# Altium PCB SSHub-B.PcbDoc (part 2 of 2)
Units mm, origin at the board's own origin, x right, y up, seen from the top; angles counter-clockwise.
Board outline 100 x 55.5 mm, 2 copper layers (Top Layer, Bottom Layer); 170 components, 186 nets, 651 pads, 131 vias.
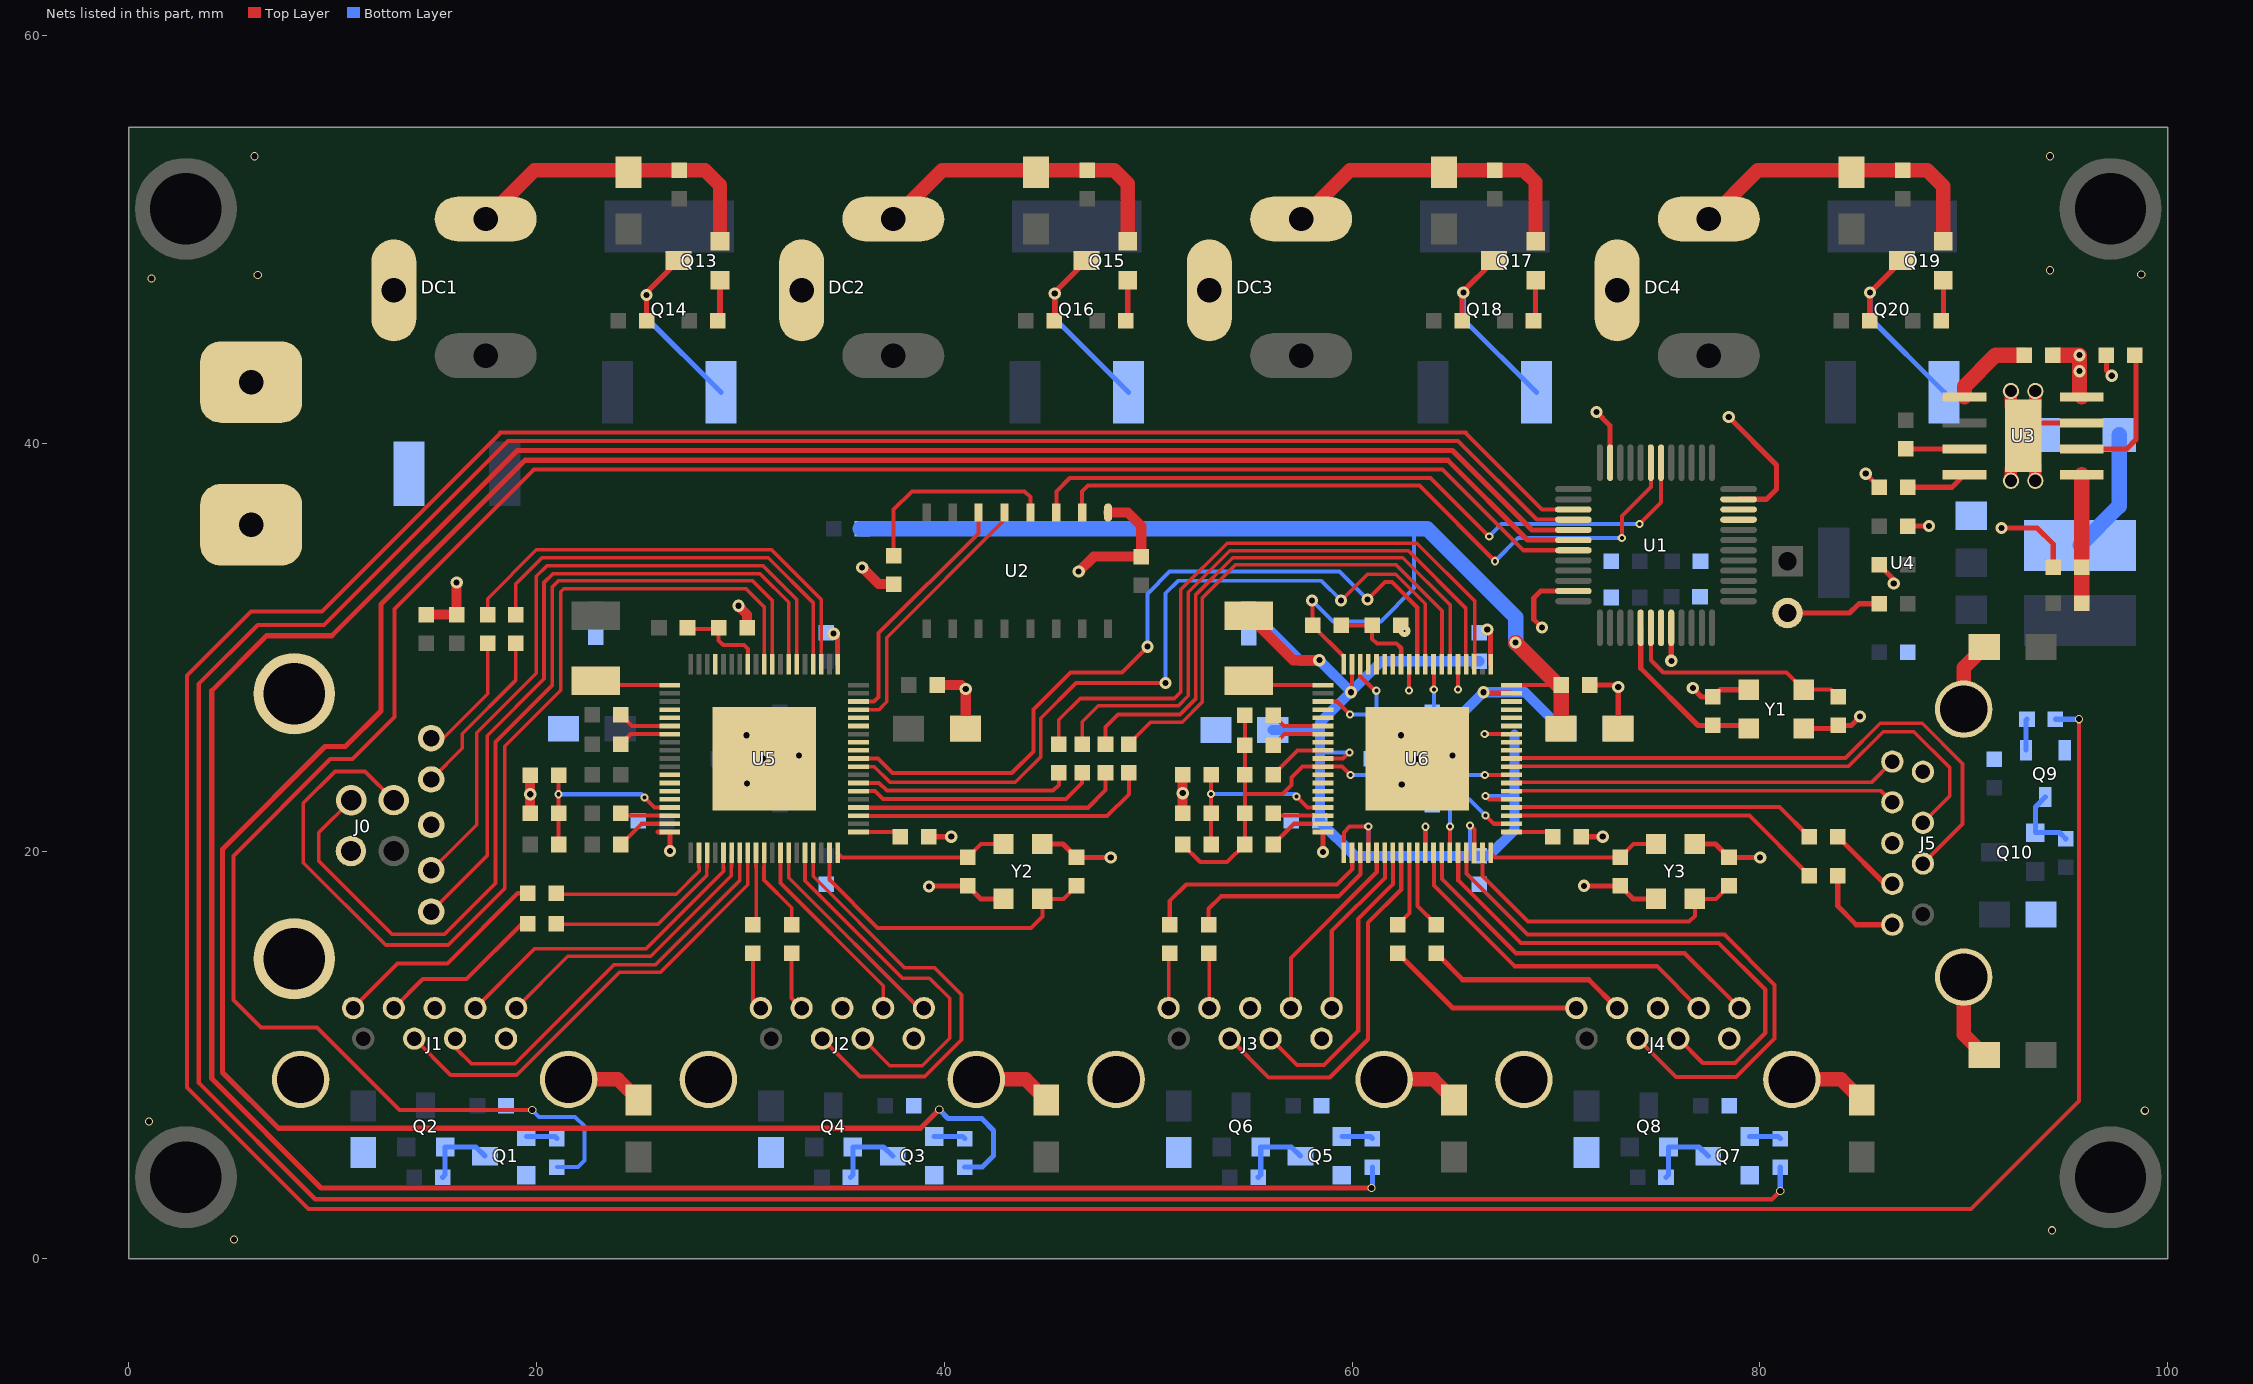
[diagram p2: the nets of this part, all layers, seen from the top]

## Via types
v1: diameter 0.6, hole 0.3, Top Layer to Bottom Layer, 66 vias
v2: diameter 0.4, hole 0.2, Top Layer to Bottom Layer, 40 vias
v3: diameter 0.4, hole 0.3, Top Layer to Bottom Layer, 24 vias
v4: diameter 0.6, hole 0.1, Top Layer to Bottom Layer, 1 vias

## Nets (pads, with @x,y where several pads share a name; then routed paths per layer and width w, separated by ;. In a path a pad name is that pad's centre, name@x,y a point inside that pad or via, vN(x,y) a via of type N, cw(c..) or ccw(c..) an arc to the next point about the centre after c; other vN are vias at no path point) (continued)
GND: C1.2 C2.2 C3.2 C4.2 C5.2 C6.2 C7.1 C8.1 C10.1 C11.2 C12.1 C13.2 C14.2 C15.2 C16.2 C17.2 C19.2 C20.2 C21.2 C22.2 C23.2 C24.2 C25.2 C26.2 C29.1 C30.2 C33.1 C34.2 C37.1 C38.1 C45.1 C46.2 C49.1 C50.2 C53.1 C54.2 C59.1 C60.1 C61.1 C62.1 C63.1 C64.1 C65.1 C66.2 C67.2 C68.1 C69.1 C70.1 C71.1 C72.2 C73.2 C74.1 C75.1 C76.1 C77.1 C78.1 C79.1 C80.2 C81.2 C82.1 C83.1 C84.1 C85.1 C86.2 D1.1 DC1.2 DC1.3 DC2.2 DC2.3 DC3.2 DC3.3 DC4.2 DC4.3 J0.4 J0.7 J0.G1 J0.G2 J1.4 J1.7 J1.G1 J1.G2 J2.4 J2.7 J2.G1 J2.G2 J3.4 J3.7 J3.G1 J3.G2 J4.4 J4.7 J4.G1 J4.G2 J5.4 J5.7 J5.G1 J5.G2 pad.1@6,43 Q1.E Q3.E Q5.E Q7.E Q9.2 Q13.E Q15.E Q17.E Q19.E R2.2 R3.2 R4.2 R6.2 R28.2 R35.2 R36.2 R38.1 R45.2 R46.2 U1.8 U1.23 U1.35 U1.47 U2.1 U3.7 U3.9 U4.1 U5.20 U5.57 U5.G1 U6.20 U6.57 U6.G1 Y1.2 Y1.4 Y2.2 Y2.4 Y3.2 Y3.4 | length 163.3
  Top Layer w0.254: 25.966,20.936 U5.57@26.539,20.936 v1@26.539,19.994 ; v1@34.569,30.658 34.766,30.461 U5.20@34.766,29.163 ; R36.2@39.243,20.701 v1@40.335,20.701 ; v1@39.268,18.288 C64.1@41.148,18.288 41.783,17.653 Y2.4@42.901,17.653 ; Y2.2@44.806,20.345 45.822,20.345 C63.1@46.482,19.685 v1@48.158,19.685 ; v1@58.568,19.943 U6.57@58.568,20.936 ; R45.2@62.15,30.836 R45.2@62.379,31.064 ; v1@66.624,30.861 66.795,30.69 U6.20@66.795,29.163 ; v1@69.317,30.963 68.91,31.369 68.91,32.41 69.251,32.751 U1.47@70.855,32.751 ; R46.2@71.247,20.701 v1@72.288,20.701 ; v1@71.374,18.288 C78.1@73.152,18.288 73.787,17.653 Y3.4@74.905,17.653 ; C82.1@71.653,28.143 72.949,28.143 73.05,28.042 C81.2@73.05,26 ; v1@71.984,41.529 72.655,40.858 U1.35@72.655,39.051 ; v1@75.655,29.324 U1.8@75.655,30.951 ; v1@76.708,27.991 77.14,27.559 C1.2@77.699,27.559 78.054,27.915 Y1.2@79.451,27.915 ; Y3.2@76.81,20.345 77.826,20.345 C77.1@78.486,19.685 v1@80.01,19.685 ; v1(78.473,41.288) 80.823,38.938 80.823,37.744 80.33,37.251 U1.23@78.955,37.251 ; Y1.4@82.144,26.01 C2.2@83.693,26.01 ; C2.2@83.845,26.162 84.48,26.162 v1@84.912,26.594 ; v1@85.192,38.506 R4.2@85.852,37.846 ; R2.2@85.852,34.036 86.563,33.325 v1@86.563,33.122 ; R3.2@87.249,35.941 v1@88.29,35.941 ; v1@91.846,35.839 93.599,35.839 94.386,35.052 R6.2@94.386,33.909 ; U3.9@93.548,40.996 U3.7@95.788,40.996 ; C10.1@97,44.323 97,43.564 v1@97.257,43.307
  Top Layer w0.5: C38.1@14.58,31.598 C37.1@16.078,31.598 v1@16.078,33.172 ; R28.2@19.685,21.844 C59.1@19.685,23.724 ; v1@29.896,32.029 30.324,31.601 R35.2@30.324,30.963 ; v1@35.966,33.909 36.779,33.096 C8.1@37.516,33.096 ; C68.1@39.649,28.143 40.843,28.143 41.046,27.94 C67.2@41.046,26 ; v1@46.584,33.706 47.32,34.442 C7.1@49.657,34.442 49.657,35.941 48.997,36.601 U2.1@48.031,36.601 ; R38.1@51.689,21.844 C73.2@51.689,23.749
  Top Layer w0.7: DC1.2@17.5,51 19.897,53.397 C19.2@27,53.397 28.264,53.397 29,52.661 Q13.E@29,49.905 ; J1.G2@21.57,8.8 23.994,8.8 C13.2@25,7.794 ; DC2.2@37.5,51 39.897,53.397 C21.2@47,53.397 48.33,53.397 49,52.727 Q15.E@49,49.905 ; J2.G2@41.57,8.8 43.994,8.8 C14.2@45,7.794 ; DC3.2@57.5,51 59.897,53.397 C23.2@67,53.397 68.421,53.397 69,52.818 Q17.E@69,49.905 ; J3.G2@61.57,8.8 63.994,8.8 C15.2@65,7.794 ; DC4.2@77.5,51 79.897,53.397 C25.2@87,53.397 88.208,53.397 89,52.605 Q19.E@89,49.905 ; J4.G2@81.57,8.8 83.994,8.8 C16.2@85,7.794 ; J5.G1@90,13.818 90,11.006 C17.2@91.006,10 ; J5.G2@90,26.958 90,28.994 C11.2@91.006,30
  other v1: 39.243,18.263 71.378,18.292 48.162,19.689 80.014,19.689 58.572,19.947 26.543,19.998 40.339,20.705 72.292,20.705 19.689,22.788 51.693,22.838 84.916,26.598 41.05,27.944 76.712,27.995 73.054,28.045 75.658,29.327 34.573,30.662 66.628,30.865 69.32,30.966 29.9,32.033 86.567,33.125 16.082,33.176 46.587,33.71 35.97,33.913 91.85,35.843 88.294,35.945 85.195,38.51 71.987,41.533 97.26,43.311
  other v3: 5.156,0.94 94.336,1.397 0.991,6.731 98.882,7.264 62.433,23.266 30.328,23.317 63.144,24.511 31.115,24.536 32.868,24.689 64.922,24.689 30.302,25.679 62.408,25.679 7.772,28.626 1.118,48.082 6.325,48.26 98.704,48.285 94.234,48.489 6.172,54.077 94.234,54.077
  other v4: 62.564,30.789
GRN1: U5.53
GRN2: U5.52
GRN3: U5.51
GRN4: U5.50
LX: L2.1 U5.39 | length 3.7
  Top Layer w0.2: L2.1@22.903,28.341 23.108,28.136 U5.39@26.539,28.136
NetC8_2: C8.2 U2.4 | length 10.2
  Top Layer w0.2: C8.2@37.516,34.493 37.516,36.754 38.405,37.643 43.942,37.643 44.221,37.363 U2.4@44.221,36.601
NetC9_1: C9.1 D1.2 L1.1 U3.8 | length 9.6
  Top Layer w0.75: C9.1@94.361,44.323 v1(95.682,44.323) v1(95.682,43.536) 95.682,42.372 U3.8@95.788,42.266
  Bottom Layer w0.75: L1.1@95.707,34.997 97.623,36.913 D1.2@97.623,40.411
NetC9_2: C9.2 U3.1 | length 4.1
  Top Layer w0.75: U3.1@90.038,42.266 90.038,42.794 91.567,44.323 C9.2@92.964,44.323
NetC10_2: C10.2 U3.6 | length 7
  Top Layer w0.254: U3.6@95.788,39.726 97.993,39.726 98.45,40.183 98.45,44.27 C10.2@98.397,44.323
NetDC0_1: F1.1 pad.0
NetP0_2: P0.2 R1.2 | length 4.7
  Top Layer w0.254: P0.2@81.356,31.674 84.404,31.674 84.861,32.131 R1.2@85.852,32.131
NetQ1_B: Q1.B R7.2 | length 1.5
  Bottom Layer w0.254: Q1.B@19.5,6 20.897,6 R7.2@21,5.897
NetQ1_C: Q1.C Q2.G R8.2 | length 3.7
  Bottom Layer w0.254: R8.2@15.397,4 15.516,4.119 Q2.G@15.516,5.484 17.019,5.484 Q1.C@17.468,5.035
NetQ3_B: Q3.B R9.2 | length 1.5
  Bottom Layer w0.254: Q3.B@39.5,6 40.897,6 R9.2@41,5.897
NetQ3_C: Q3.C Q4.G R10.2 | length 3.7
  Bottom Layer w0.254: R10.2@35.397,4 35.516,4.119 Q4.G@35.516,5.484 37.019,5.484 Q3.C@37.468,5.035
NetQ5_B: Q5.B R11.2 | length 1.5
  Bottom Layer w0.254: Q5.B@59.5,6 60.897,6 R11.2@61,5.897
NetQ5_C: Q5.C Q6.G R12.2 | length 3.7
  Bottom Layer w0.254: R12.2@55.397,4 55.516,4.119 Q6.G@55.516,5.484 57.019,5.484 Q5.C@57.468,5.035
NetQ7_B: Q7.B R13.2 | length 1.5
  Bottom Layer w0.254: Q7.B@79.5,6 80.897,6 R13.2@81,5.897
NetQ7_C: Q7.C Q8.G R14.2 | length 3.7
  Bottom Layer w0.254: R14.2@75.397,4 75.516,4.119 Q8.G@75.516,5.484 77.019,5.484 Q7.C@77.468,5.035
NetQ9_B: Q9.1 R15.2 | length 1.5
  Bottom Layer w0.254: Q9.1@93.05,24.95 93.05,26.414 R15.2@93.103,26.467
NetQ9_C: Q9.3 Q10.G R16.2 | length 3.6
  Bottom Layer w0.254: Q9.3@94,22.65 93.516,22.166 Q10.G@93.516,20.904 94.695,20.904 R16.2@95,20.599
NetQ11_B: 
NetQ11_C: 
NetQ13_B: Q13.B R19.2 | length 2
  Top Layer w0.3: R19.2@28.897,46 29,46.103 Q13.B@29,48
NetQ13_C: Q13.C Q14.G R20.2 | length 9.9
  Top Layer w0.254: R20.2@25.397,46 v1(25.397,47.269) 25.397,47.394 Q13.C@26.968,48.965
  Bottom Layer w0.254: v1(25.397,47.269) 25.397,46.143 Q14.G@29.04,42.5
NetQ15_B: Q15.B R21.2 | length 2
  Top Layer w0.254: R21.2@48.897,46 49,46.103 Q15.B@49,48
NetQ15_C: Q15.C Q16.G R22.2 | length 10
  Top Layer w0.254: R22.2@45.397,46 45.397,47.394 Q15.C@46.968,48.965
  Bottom Layer w0.254: v1(45.415,47.346) 45.415,46.125 Q16.G@49.04,42.5
NetQ17_B: Q17.B R23.2 | length 2
  Top Layer w0.254: R23.2@68.897,46 69,46.103 Q17.B@69,48
NetQ17_C: Q17.C Q18.G R24.2 | length 10
  Top Layer w0.254: R24.2@65.397,46 65.397,47.394 Q17.C@66.968,48.965
  Bottom Layer w0.254: v1(65.456,47.396) 65.456,46.084 Q18.G@69.04,42.5
NetQ19_B: Q19.B R25.2 | length 2
  Top Layer w0.254: R25.2@88.897,46 89,46.103 Q19.B@89,48
NetQ19_C: Q19.C Q20.G R26.2 | length 10
  Top Layer w0.254: R26.2@85.397,46 v1(85.397,47.394) Q19.C@86.968,48.965
  Bottom Layer w0.254: v1(85.397,47.394) 85.397,46.143 Q20.G@89.04,42.5
NetR4_0_1: R4_0.1 U3.3 | length 2.9
  Top Layer w0.254: R4_0.1@87.147,39.726 U3.3@90.038,39.726
NetR4_1: R4.1 U3.4 | length 3
  Top Layer w0.254: R4.1@87.249,37.846 89.429,37.846 U3.4@90.038,38.456
NetR5_2: R5.2 R6.1 U3.5 | length 6.3
  Top Layer w0.75: R5.2@95.783,32.156 R6.1@95.783,33.909 U3.5@95.783,38.451
OSC_N: C1.1 U1.5 Y1.3 | length 8.5
  Top Layer w0.254: U1.5@74.155,30.951 74.155,28.969 76.962,26.162 C1.1@77.699,26.162 79.299,26.162 Y1.3@79.451,26.01
OSC_P: C2.1 U1.6 Y1.1 | length 11.5
  Top Layer w0.203: U1.6@74.655,30.951 74.655,29.358 75.26,28.753 81.305,28.753 Y1.1@82.144,27.915 83.49,27.915 C2.1@83.845,27.559
OVCUR1: R32.2 U5.45 | length 2.6
  Top Layer w0.2: R32.2@24.13,25.248 24.619,25.736 U5.45@26.539,25.736
OVCUR2B: R33.2 U5.44 | length 2.6
  Top Layer w0.203: R33.2@24.13,26.695 24.689,26.136 U5.44@26.539,26.136
PWREN1: U5.43
PWREN2B: U5.42
RESET: U1.7
RST_OUT: C59.2 R27.2 R28.1 U5.54 | length 9.1
  Top Layer w0.2: R27.2@21.082,20.32 R28.1@21.082,21.844 v2(21.082,22.784) C59.2@21.082,23.724 ; v2(25.298,22.631) 25.793,22.136 U5.54@26.539,22.136
  Bottom Layer w0.2: v2(21.082,22.784) 25.146,22.784 v2(25.298,22.631)
RXD: U1.30 U2.3 | length 34.8
  Top Layer w0.2: U2.3@45.491,36.601 45.491,37.643 46.152,38.303 63.856,38.303 v2(66.726,35.433) ; v2(74.092,36.043) 75.155,37.105 U1.30@75.155,39.051
  Bottom Layer w0.2: v2(66.726,35.433) 67.335,36.043 v2(74.092,36.043)
SCL: U1.21
SDA: U1.22
SMCLK/TX: R30.2 U5.55 | length 2.5
  Top Layer w0.2: R30.2@24.13,21.872 24.266,21.736 U5.55@26.539,21.736
SMDAT/RX: R29.2 U5.56 | length 2.8
  Top Layer w0.2: R29.2@24.13,20.32 25.146,21.336 U5.56@26.539,21.336
SPISO: U5.35
SSREXT: R36.1 U5.1 | length 2.2
  Top Layer w0.2: U5.1@35.793,20.936 37.611,20.936 R36.1@37.846,20.701
SSRX0_N: J0.8 U5.25 | length 33.5
  Top Layer w0.178: J0.8@14.829,19.055 17.069,21.294 17.069,25.806 19.986,28.724 19.986,33.473 20.498,33.985 31.12,33.985 32.752,32.353 32.752,29.694 32.762,29.684 U5.25@32.762,29.087
SSRX0_P: J0.9 U5.26 | length 34.3
  Top Layer w0.178: J0.9@14.829,17.029 17.577,19.777 17.577,25.654 20.367,28.444 20.367,33.169 20.803,33.604 30.963,33.604 32.371,32.195 32.371,29.694 32.362,29.684 U5.26@32.362,29.087
SSRX1_N: J1.5 U5.63 | length 14.3
  Top Layer w0.178: J1.5@19,12.3 21.534,14.834 25.603,14.834 29.552,18.783 29.552,19.227 29.562,19.236 U5.63@29.562,19.833
SSRX1_P: J1.6 U5.62 | length 15.8
  Top Layer w0.178: J1.6@17,12.3 19.915,15.215 25.375,15.215 29.171,19.011 29.171,19.227 29.162,19.236 U5.62@29.162,19.833
SSRX2_N: J2.5 U5.70 | length 10.4
  Top Layer w0.178: U5.70@32.366,19.833 32.366,18.688 38.754,12.3 J2.5@39,12.3
SSRX2_P: J2.6 U5.69 | length 9.6
  Top Layer w0.178: U5.69@31.966,19.833 31.966,18.428 37,13.394 J2.6@37,12.3
SSRX3_N: C42.2 U5.7 | length 10.9
  Top Layer w0.2: U5.7@35.636,23.343 36.805,23.343 37.186,22.962 45.339,22.962 45.618,23.241 C42.2@45.618,23.851
SSRX3_P: C41.2 U5.6 | length 12.2
  Top Layer w0.2: U5.6@35.585,22.936 36.601,22.936 36.982,22.555 45.974,22.555 46.761,23.343 C41.2@46.761,23.851
SSRX4_N: U5.15
SSRX4_P: U5.14
SSTX0_N: C36.1 U5.22 | length 22.4
  Top Layer w0.178: C36.1@17.598,31.598 17.598,32.381 19.99,34.773 31.523,34.773 33.962,32.334 U5.22@33.962,29.087
SSTX0_P: C35.1 U5.23 | length 20.6
  Top Layer w0.178: C35.1@18.97,31.598 18.97,33.092 20.269,34.392 31.365,34.392 33.562,32.195 U5.23@33.562,29.087
SSTX0E_N: C36.2 J0.5 | length 6.2
  Top Layer w0.178: J0.5@14.829,25.537 15.428,25.537 17.598,27.708 C36.2@17.598,30.201
SSTX0E_P: C35.2 J0.6 | length 8.4
  Top Layer w0.178: J0.6@14.829,23.512 16.358,25.04 16.358,25.756 18.97,28.368 C35.2@18.97,30.201
SSTX1_N: C28.1 U5.60 | length 9.4
  Top Layer w0.178: C28.1@20.98,16.408 25.959,16.408 28.352,18.802 28.352,19.227 28.362,19.236 U5.60@28.362,19.833
SSTX1_P: C27.1 U5.59 | length 8.3
  Top Layer w0.178: C27.1@20.98,17.882 26.848,17.882 27.971,19.005 27.971,19.227 27.962,19.236 U5.59@27.962,19.833
SSTX1E_N: C28.2 J1.8 | length 8.3
  Top Layer w0.203: J1.8@13,12.3 14.416,13.716 16.561,13.716 19.279,16.434 C28.2@19.558,16.434
SSTX1E_P: C27.2 J1.9 | length 10.9
  Top Layer w0.203: J1.9@11,12.3 13.178,14.478 15.621,14.478 19.075,17.932 C27.2@19.558,17.932
SSTX2_N: C32.1 U5.67 | length 4
  Top Layer w0.178: U5.67@31.162,19.833 31.162,19.236 31.152,19.227 31.152,18.581 32.512,17.221 C32.1@32.512,16.383
SSTX2_P: C31.1 U5.66 | length 3.5
  Top Layer w0.178: C31.1@30.607,16.383 30.771,16.547 30.771,19.227 30.762,19.236 U5.66@30.762,19.833
SSTX2E_N: C32.2 J2.8 | length 2.9
  Top Layer w0.203: C32.2@32.512,14.986 32.512,12.788 J2.8@33,12.3
SSTX2E_P: C31.2 J2.9 | length 2.8
  Top Layer w0.203: C31.2@30.607,14.986 30.607,12.693 J2.9@31,12.3
SSTX3_N: C40.2 U5.4 | length 13.6
  Top Layer w0.2: U5.4@35.509,22.123 47.041,22.123 47.904,22.987 C40.2@47.904,23.851
SSTX3_P: C39.2 U5.3 | length 15
  Top Layer w0.2: U5.3@35.585,21.717 47.981,21.717 49.047,22.784 C39.2@49.047,23.851
SSTX4_N: U5.12
SSTX4_P: U5.11
SSX_N: C64.2 U5.76 Y2.3 | length 8.5
  Top Layer w0.2: U5.76@34.766,19.909 34.99,19.685 C64.2@41.148,19.685 41.808,20.345 Y2.3@42.901,20.345
SSX_P: C63.2 U5.75 Y2.1 | length 15.8
  Top Layer w0.2: U5.75@34.366,19.909 34.366,18.593 36.728,16.231 44.247,16.231 44.806,16.789 Y2.1@44.806,17.653 45.847,17.653 C63.2@46.482,18.288
TXD: U1.31 U2.2 | length 34.1
  Top Layer w0.2: U2.2@46.761,36.601 46.761,37.643 47.041,37.922 63.297,37.922 v2(67.005,34.214) v2@67.005,34.366 ; v2(73.228,35.357) 73.228,36.424 74.655,37.85 U1.31@74.655,39.051
  Bottom Layer w0.2: v2(67.005,34.214) 68.148,35.357 v2(73.228,35.357)
USBDP0_N: J0.2 U5.29 | length 50.3
  Top Layer w0.178: J0.2@12.989,22.5 11.588,23.901 10.109,23.901 8.56,22.352 8.56,19.431 12.598,15.392 15.672,15.392 18.44,18.161 18.44,25.146 21.184,27.889 21.184,32.715 21.336,32.868 30.277,32.868 31.171,31.973 31.171,29.694 31.162,29.684 U5.29@31.162,29.087
USBDP0_P: J0.3 U5.28 | length 45
  Top Layer w0.178: J0.3@10.906,22.489 9.322,20.905 9.322,19.507 12.903,15.926 15.494,15.926 17.983,18.415 17.983,25.349 20.777,28.143 20.777,32.969 21.057,33.249 30.607,33.249 31.552,32.303 31.552,29.694 31.562,29.684 U5.28@31.562,29.087
USBHP1_N: J1.2 U5.65 | length 22.5
  Top Layer w0.178: J1.2@14,10.8 15.783,9.017 19.025,9.017 24.054,14.046 26.06,14.046 30.362,18.348 U5.65@30.362,19.833
USBHP1_P: J1.3 U5.64 | length 19.2
  Top Layer w0.178: J1.3@16.052,10.316 16.793,9.576 18.948,9.576 23.8,14.427 25.832,14.427 29.962,18.557 U5.64@29.962,19.833
USBHP2_N: J2.2 U5.73 | length 21.3
  Top Layer w0.178: U5.73@33.566,19.833 33.566,18.758 38.049,14.275 39.522,14.275 40.843,12.954 40.843,10.744 39.04,8.941 35.859,8.941 J2.2@34,10.8
USBHP2_P: J2.3 U5.72 | length 18.1
  Top Layer w0.178: U5.72@33.166,19.833 33.166,18.549 37.948,13.767 39.268,13.767 40.259,12.776 40.259,10.82 38.913,9.474 37.326,9.474 J2.3@36,10.8
USBHP3_N: U5.10 U6.29 | length 38.8
  Top Layer w0.2: U5.10@35.793,24.536 36.754,24.536 37.465,23.825 43.307,23.825 44.374,24.892 44.374,26.949 46.181,28.757 48.721,28.757 49.987,30.023 v1(49.962,30.023) ; v1(60.757,32.334) 61.62,33.198 61.951,33.198 63.195,31.953 U6.29@63.195,29.163
  Bottom Layer w0.2: v1@49.987,30.023 v1(49.962,30.023) 49.962,32.614 51.054,33.706 59.385,33.706 v1(60.757,32.334)
USBHP3_P: U5.9 U6.28 | length 40.5
  Top Layer w0.178: U5.9@35.793,24.136 36.57,24.136 37.338,23.368 43.485,23.368 44.729,24.613 44.729,26.518 46.457,28.245 v1(50.851,28.245) ; v1@59.411,32.385 59.461,32.334 v1(59.461,32.283) 60.757,33.579 62.144,33.579 63.595,32.127 U6.28@63.595,29.163
  Bottom Layer w0.178: v1(50.851,28.245) 50.851,32.639 51.46,33.249 58.496,33.249 v1(59.461,32.283)
USBHP4_N: U2.6 U5.17 | length 12.2
  Top Layer w0.2: U5.17@35.793,27.336 36.557,27.336 36.779,27.559 36.779,30.683 41.681,35.585 U2.6@41.681,36.601
USBHP4_P: U2.5 U5.16 | length 13.1
  Top Layer w0.178: U5.16@35.793,26.936 36.792,26.936 37.171,27.316 37.171,30.466 42.951,36.246 U2.5@42.951,36.474
USBSW1: R7.1 U1.43 | length 108.3
  Top Layer w0.2: v3(19.787,7.29) 13.284,7.29 9.22,11.354 6.477,11.354 5.131,12.7 5.131,19.761 9.881,24.511 10.973,24.511 13.03,26.568 13.03,31.877 19.863,38.71 64.44,38.71 68.398,34.751 U1.43@70.855,34.751
  Bottom Layer w0.2: v3(19.787,7.29) 20.117,6.96 21.895,6.96 22.352,6.502 22.352,4.826 22.026,4.5 R7.1@21,4.5
USBSW2: R9.1 U1.42 | length 132.4
  Top Layer w0.254: v3(39.751,7.315) 38.837,6.401 7.341,6.401 4.597,9.144 4.597,20.091 9.627,25.121 10.617,25.121 12.37,26.873 12.37,32.106 19.431,39.167 64.694,39.167 68.609,35.251 U1.42@70.855,35.251
  Bottom Layer w0.254: v3(39.751,7.315) 40.183,6.883 41.834,6.883 42.418,6.299 42.418,5.055 41.863,4.5 R9.1@41,4.5
USBSW3: R11.1 U1.41 | length 152.5
  Top Layer w0.254: v3(60.949,3.48) 9.423,3.48 4.064,8.839 4.064,27.864 6.756,30.556 9.957,30.556 19.05,39.649 64.922,39.649 68.821,35.751 U1.41@70.855,35.751
  Bottom Layer w0.254: v3(60.949,3.48) 61,3.531 R11.1@61,4.5
USBSW4: R13.1 U1.40 | length 174.8
  Top Layer w0.2: U1.40@70.855,36.251 69.057,36.251 65.202,40.107 18.593,40.107 9.576,31.09 6.325,31.09 3.429,28.194 3.429,8.636 9.144,2.921 80.594,2.921 v3(81.001,3.327)
  Bottom Layer w0.254: v3@81,3.328 R13.1@81,4.5
USBSW5: R15.1 U1.39 | length 212
  Top Layer w0.2: 18.212,40.488 9.474,31.75 5.994,31.75 2.845,28.6 2.845,8.407 8.814,2.438 90.348,2.438 95.656,7.747 v3(95.656,26.467) ; 18.212,40.538 65.583,40.538 ; 65.583,40.488 69.319,36.751 U1.39@70.855,36.751
  Bottom Layer w0.254: R15.1@94.5,26.467 v3(95.656,26.467)
USBSW6: 
VBUSDET: R34.2 R35.1 U5.31 | length 4.5
  Top Layer w0.203: R34.2@27.377,30.886 28.927,30.886 28.927,30.328 29.155,30.099 30.171,30.099 30.362,29.908 U5.31@30.362,29.087
~1_2V: C79.2 C83.2 C84.2 C85.2 C86.1 L3.2 U6.5 U6.13 U6.24 U6.30 U6.37 U6.48 U6.58 U6.61 U6.68 U6.74 | length 68.3
  Top Layer w0.2: U6.48@58.568,24.536 59.563,24.536 v2(59.868,24.841) ; U6.58@59.595,19.909 59.595,20.911 59.88,21.196 v2(60.795,21.196) U6.61@60.795,19.909 ; v1(59.944,27.788) 59.995,27.839 U6.37@59.995,29.163 ; v2(62.795,27.87) U6.30@62.795,29.163 ; U6.68@63.595,19.909 v2(63.595,21.19) ; v2(65.195,27.921) U6.24@65.195,29.163 ; v2(65.786,21.26) 65.995,21.051 U6.74@65.995,19.909 ; v2(66.503,25.736) U6.13@67.822,25.736 ; v2(66.548,22.708) 66.719,22.536 U6.5@67.822,22.536
  Top Layer w0.5: L3.2@54.933,31.541 57.112,29.362 v1(58.395,29.362)
  Bottom Layer w0.2: 58.471,24.841 v2(59.868,24.841) ; 60.783,19.761 60.795,19.774 v2(60.795,21.196) ; v2(62.795,27.87) 62.795,29.305 ; 63.595,19.768 v2(63.595,21.19) ; v2(65.195,27.921) 65.195,29.267 ; 65.786,19.812 v2(65.786,21.26) ; v2(66.503,25.736) 67.939,25.736 ; v2(66.548,22.708) 67.894,22.708
  Bottom Layer w0.5: C79.2@54.94,31.852 57.429,29.362 v1(58.395,29.362) v1@59.944,27.813 ; C86.1@56.109,25.933 58.42,25.933 ; C84.2@66.243,29.312 61.443,29.312 v1@59.944,27.813 ; 67.97,25.705 67.97,21.031 66.7,19.761 C83.2@66.243,19.761 60.783,19.761 60.122,19.761 58.42,21.463 C85.2@58.42,21.488 58.42,25.933 ; 58.42,25.933 58.42,26.289 v1@59.944,27.813
~3_3V: C74.2 C75.2 C76.2 C80.1 R37.2 R39.1 R40.1 R41.1 R42.1 R43.1 U6.2 U6.8 U6.18 U6.27 U6.36 U6.41 U6.49 U6.71 | length 54.2
  Top Layer w0.2: R37.2@51.689,20.32 52.553,19.456 53.873,19.456 R39.1@54.737,20.32 R40.1@54.737,21.844 54.737,22.796 ; R43.1@54.737,26.67 R42.1@54.737,25.197 R41.1@54.737,23.749 54.737,22.796 ; U6.41@58.568,27.336 59.252,27.336 v2(59.893,26.695) ; v2(59.919,23.724) 59.506,24.136 U6.49@58.568,24.136 57.563,24.136 57.023,23.597 57.023,23.241 56.578,22.796 54.737,22.796 ; U6.36@60.395,29.163 60.395,28.581 v2@61.087,27.889 ; v2(64.008,27.915) U6.27@64.008,29.151 ; U6.71@64.795,19.909 v2(64.795,21.209) ; v2(66.51,23.736) U6.8@67.822,23.736 ; v2(66.548,21.742) 66.954,21.336 U6.2@67.822,21.336
  Top Layer w0.254: v1(66.446,27.788) 66.498,27.736 U6.18@67.822,27.736
  Bottom Layer w0.2: v2(59.893,26.695) 60.681,26.695 60.935,26.441 ; v2(59.919,23.724) 60.909,23.724 ; v2(61.189,27.864) 61.189,26.899 61.29,26.797 ; C75.2@64.008,26.873 v2(64.008,27.915) ; v2(64.795,21.209) 64.795,22.276 ; 65.481,22.53 65.761,22.53 v2(66.548,21.742) ; 65.519,23.736 v2(66.51,23.736)
  Bottom Layer w0.5: 65.481,23.698 65.481,22.53 65.227,22.276 C74.2@63.932,22.276 61.265,22.276 60.935,22.606 C76.2@60.935,24.536 60.935,26.441 61.29,26.797 C75.2@63.932,26.797 65.456,26.797 v1(66.446,27.788) 68.478,27.788 C80.1@70.256,26.01
~ADAPTERIN: C81.1 C82.2 JMP?.1 R44.1 U6.19 U6.38 | length 55.6
  Top Layer w0.2: v1(58.039,32.283) 58.061,32.262 R44.1@58.061,31.064 59.595,29.53 U6.38@59.595,29.163 ; U6.19@67.822,28.136 70.25,28.136 C82.2@70.256,28.143
  Top Layer w0.762: v1(68.021,30.226) 70.104,28.143 C82.2@70.256,28.143 C81.1@70.256,26
  Bottom Layer w0.2: v1(58.039,32.283) 59.055,31.267 61.417,31.267 63.043,32.893 63.043,35.789
  Bottom Layer w0.762: JMP?.1@35.865,35.814 63.678,35.814 68.021,31.471 v1(68.021,30.226)
~AMB2: U6.34
~AMB3: U6.33
~AMB4: U6.32
~COREPWRDN: U6.46
~EXTPWRON: R41.2 U6.47 | length 2.9
  Top Layer w0.2: R41.2@56.134,23.749 57.321,24.936 U6.47@58.568,24.936
~GRN1: U6.53
~GRN2: U6.52
~GRN3: U6.51
~GRN4: U6.50
~LX: L3.1 U6.39 | length 3.7
  Top Layer w0.2: L3.1@54.933,28.341 55.138,28.136 U6.39@58.568,28.136
~OVCUR1: R42.2 U6.45 | length 2.7
  Top Layer w0.2: R42.2@56.134,25.197 56.674,25.736 U6.45@58.568,25.736
~OVCUR2B: R43.2 U6.44 | length 2.7
  Top Layer w0.2: R43.2@56.134,26.67 56.668,26.136 U6.44@58.568,26.136
~PWREN1: U6.43
~PWREN2B: U6.42
~RST_OUT: C73.1 R37.1 R38.2 U6.54 | length 9.2
  Top Layer w0.2: R37.1@53.086,20.32 R38.2@53.086,21.844 v2(53.086,22.796) C73.1@53.086,23.749 ; v2(57.277,22.682) 57.823,22.136 U6.54@58.568,22.136
  Bottom Layer w0.2: v2(53.086,22.796) 57.163,22.796 v2(57.277,22.682)
~SMCLK/TX: R40.2 U6.55 | length 2.5
  Top Layer w0.203: R40.2@56.134,21.844 56.242,21.736 U6.55@58.568,21.736
~SMDAT/RX: R39.2 U6.56 | length 2.9
  Top Layer w0.203: R39.2@56.134,20.32 57.15,21.336 U6.56@58.568,21.336
~SPISO: U6.35
~SSREXT: R46.1 U6.1 | length 2.5
  Top Layer w0.152: R46.1@69.839,20.966 R46.1@70.104,20.701
  Top Layer w0.2: U6.1@67.822,20.936 69.615,20.936 R46.1@69.85,20.701
~SSRX0_N: C40.1 U6.25 | length 28
  Top Layer w0.178: C40.1@47.904,25.248 47.904,26.086 48.514,26.695 51.562,26.695 52.324,27.457 52.324,32.563 54.153,34.392 62.484,34.392 64.81,32.066 U6.25@64.81,29.193
~SSRX0_P: C39.1 U6.26 | length 25.5
  Top Layer w0.178: C39.1@49.047,25.248 50.114,26.314 51.664,26.314 52.654,27.305 52.654,32.41 54.28,34.036 62.154,34.036 64.41,31.78 U6.26@64.41,29.193
~SSRX1_N: J3.5 U6.63 | length 8.7
  Top Layer w0.203: J3.5@59,12.3 59,16.074 61.61,18.684 U6.63@61.61,19.939
~SSRX1_P: J3.6 U6.62 | length 9.4
  Top Layer w0.203: J3.6@57,12.3 57,14.76 61.21,18.97 U6.62@61.21,19.939
~SSRX2_N: J4.5 U6.70 | length 18.5
  Top Layer w0.203: U6.70@64.41,19.939 64.41,18.623 68.047,14.986 76.314,14.986 J4.5@79,12.3
~SSRX2_P: J4.6 U6.69 | length 17.1
  Top Layer w0.203: U6.69@64.01,19.939 64.01,18.311 67.97,14.351 74.949,14.351 J4.6@77,12.3
~SSRX3_N: J5.5 U6.7 | length 19.1
  Top Layer w0.178: U6.7@67.837,23.366 85.478,23.366 J5.5@86.5,24.388
~SSRX3_P: J5.6 U6.6 | length 18.9
  Top Layer w0.178: U6.6@67.837,22.966 85.922,22.966 J5.6@86.5,22.388
~SSRX4_N: U6.15
~SSRX4_P: U6.14
~SSTX0_N: C42.1 U6.22 | length 32.4
  Top Layer w0.178: C42.1@45.618,25.248 45.618,26.441 46.66,27.483 51.283,27.483 51.587,27.788 51.587,32.817 53.873,35.103 63.17,35.103 66.01,32.263 U6.22@66.01,29.193
~SSTX0_P: C41.1 U6.23 | length 30.3
  Top Layer w0.178: C41.1@46.761,25.248 46.761,26.34 47.549,27.127 51.486,27.127 51.968,27.609 51.968,32.694 53.996,34.722 62.763,34.722 65.566,31.92 65.566,29.237 U6.23@65.61,29.193
~SSTX1_N: C44.1 U6.60 | length 10
  Top Layer w0.203: C44.1@52.959,16.383 52.959,17.17 53.569,17.78 59.334,17.78 60.416,18.862 U6.60@60.416,19.939
~SSTX1_P: C43.1 U6.59 | length 11.6
  Top Layer w0.203: C43.1@51.054,16.383 51.054,17.551 51.867,18.364 59.258,18.364 60.01,19.116 U6.59@60.01,19.939
~SSTX1E_N: C44.2 J3.8 | length 2.7
  Top Layer w0.178: J3.8@53,12.3 C44.2@53,14.986
~SSTX1E_P: C43.2 J3.9 | length 2.7
  Top Layer w0.178: J3.9@51,12.3 C43.2@51,15.034
~SSTX2_N: C48.1 U6.67 | length 3.9
  Top Layer w0.203: U6.67@63.21,19.939 63.21,17.308 C48.1@64.135,16.383
~SSTX2_P: C47.1 U6.66 | length 3.8
  Top Layer w0.203: C47.1@62.23,16.383 62.81,16.963 U6.66@62.81,19.939
~SSTX2E_N: C48.2 J4.8 | length 10.2
  Top Layer w0.254: C48.2@64.059,14.91 C48.2@64.262,14.91 ; C48.2@64.135,14.986 65.43,13.691 71.609,13.691 J4.8@73,12.3
~SSTX2E_P: C47.2 J4.9 | length 9.9
  Top Layer w0.254: C47.2@62.243,14.999 64.941,12.3 J4.9@71,12.3
~SSTX3_N: C52.1 U6.4 | length 15.2
  Top Layer w0.2: U6.4@67.837,22.169 80.955,22.169 C52.1@82.423,20.701
~SSTX3_P: C51.1 U6.3 | length 15.8
  Top Layer w0.2: U6.3@67.822,21.736 79.483,21.736 C51.1@82.423,18.796
~SSTX3E_N: C52.2 J5.8 | length 3.5
  Top Layer w0.254: C52.2@83.82,20.701 J5.8@86.317,18.204
~SSTX3E_P: C51.2 J5.9 | length 4.6
  Top Layer w0.254: C51.2@83.82,18.796 83.82,17.297 84.73,16.388 J5.9@86.5,16.388
~SSTX4_N: U6.12
~SSTX4_P: U6.11
~SSTX4E_N: 
~SSTX4E_P: 
~SSX_N: C78.2 U6.76 Y3.3 | length 8.5
  Top Layer w0.2: U6.76@66.795,19.909 67.02,19.685 C78.2@73.152,19.685 73.812,20.345 Y3.3@74.905,20.345
~SSX_P: C77.2 U6.75 Y3.1 | length 15.4
  Top Layer w0.2: U6.75@66.395,19.909 66.395,18.771 68.631,16.535 76.53,16.535 76.81,16.815 Y3.1@76.81,17.653 77.851,17.653 C77.2@78.486,18.288
~USBHP1_N: J3.2 U6.65 | length 18.2
  Top Layer w0.203: J3.2@54,10.8 55.91,8.89 58.903,8.89 60.782,10.77 60.782,16.485 62.41,18.112 U6.65@62.41,19.939
~USBHP1_P: J3.3 U6.64 | length 15
  Top Layer w0.203: J3.3@56,10.8 57.3,9.5 58.623,9.5 60.3,11.176 60.3,16.662 62.01,18.373 U6.64@62.01,19.939
~USBHP2_N: J4.2 U6.73 | length 29.3
  Top Layer w0.2: U6.73@65.615,19.909 65.615,18.891 68.607,15.899 78.259,15.899 80.721,13.437 80.721,10.807 78.83,8.915 75.885,8.915 J4.2@74,10.8
~USBHP2_P: J4.3 U6.72 | length 26.2
  Top Layer w0.203: U6.72@65.21,19.939 65.21,18.559 68.275,15.494 77.978,15.494 80.264,13.208 80.264,11.074 78.791,9.601 77.199,9.601 J4.3@76,10.8
~USBHP3_N: J5.2 U6.10 | length 29.3
  Top Layer w0.178: U6.10@67.837,24.566 84.205,24.566 85.903,26.264 87.96,26.264 89.941,24.282 89.941,21.329 J5.2@88,19.388
~USBHP3_P: J5.3 U6.9 | length 26.2
  Top Layer w0.178: U6.9@67.837,24.166 84.364,24.166 86.055,25.857 87.554,25.857 89.306,24.105 89.306,22.694 J5.3@88,21.388
~USBHP4_N: U6.17
~USBHP4_P: U6.16
~VBUSDET: R44.2 R45.1 U6.31 | length 4.6
  Top Layer w0.203: R44.2@59.458,31.064 R45.1@60.982,31.064 60.982,30.408 61.214,30.175 62.179,30.175 62.41,29.944 U6.31@62.41,29.193
pads on no net: U1.2 U1.3 U1.4 U1.10 U1.11 U1.12 U1.13 U1.14 U1.15 U1.16 U1.17 U1.18 U1.19 U1.25 U1.26 U1.27 U1.28 U1.29 U1.32 U1.45 U1.46 U2.7 U2.8 U2.9 U2.10 U2.11 U2.12 U2.13 U2.14 U2.15 U5.21 U5.40 U6.21 U6.40

## Polygon pours and split planes (outlines as drawn)
GND on Top Layer "Bottom Layer-No Net" (solid, remove dead copper, pour order 26): 0,0.229 0,55.245 99.745,55.245 100,55.5 99.771,55.271 99.771,0.102
D5V0 on Top Layer "Bottom Layer-No Net" (solid, pour order 45): 92.875,30.632 98.476,30.632 98.476,29.388 97.612,28.524 92.862,28.524
D12V0 on Top Layer "Bottom Layer-No Net" (solid, pour order 41): 89.357,40.767 84.811,40.767 84.709,40.869 84.709,44.069 84.709,44.12 84.811,44.221 84.861,44.272 85.852,44.272 87.833,42.291 87.96,42.164 87.96,41.656 88.29,41.326 88.316,41.3 89.357,41.3
D5V0 on Top Layer "Bottom Layer-No Net" (solid, remove dead copper, pour order 34): 93.142,30.632 94.64,30.632 94.64,9.042 93.142,9.042 93.142,30.632
D5V0 on Top Layer "Bottom Layer-No Net" (solid, remove dead copper, pour order 33): 12.573,4.343 12.573,5.563 89.027,5.563 89.027,4.343
D5V0 on Top Layer "Bottom Layer-No Net" (solid, pour order 37): 94.615,9.474 94.64,9.449 94.64,9.042 94.64,8.763 90.221,4.343 89.027,4.343 88.722,4.343 88.722,5.537 89.002,5.537 89.027,5.563 89.941,5.563 92.862,8.484 93.142,8.763 93.142,9.042 93.142,9.474
GND on Bottom Layer "Bottom Layer-No Net" (solid, remove dead copper, pour order 24): 0,0 0,55.5 0.001,55.499 99.771,55.499 99.771,0.229 100.152,-0.152
D12V0 on Bottom Layer "Bottom Layer-No Net" (solid, pour order 46): 78.715,36.906 79.096,36.906 79.121,36.932 80.289,36.932 82.169,36.932 86.004,40.767 86.004,44.145 85.954,44.145 85.852,44.247 83.185,44.247 83.185,44.018 82.55,43.383 79.299,40.132 78.715,40.132
D5V0 on Bottom Layer "Bottom Layer-No Net" (solid, pour order 44): 98.476,31.471 92.939,31.471 92.939,30.023 92.939,29.997 94.386,28.55 94.412,28.524 97.612,28.524 98.45,29.362
NetC9_1 on Bottom Layer "Bottom Layer-No Net" (solid, pour order 43): 95.25,44.729 95.25,41.986 95.25,41.961 97.155,40.056 97.993,40.894 97.993,40.919 96.114,42.799 96.088,42.824 96.088,44.729
D12V0 on Bottom Layer "Bottom Layer-No Net" (solid, pour order 42): 86.004,40.767 86.004,44.145 85.877,44.272 85.852,44.247 84.861,44.247 84.455,44.247 84.226,44.018 84.226,40.996 84.226,40.97 84.43,40.767
D12V0 on Bottom Layer "Bottom Layer-No Net" (solid, pour order 38): 23.19,44.018 25.146,44.018 25.146,37.948 23.19,37.948
D12V0 on Bottom Layer "Bottom Layer-No Net" (solid, pour order 39): 43.205,44.044 45.161,44.044 45.161,37.973 43.205,37.973
D12V0 on Bottom Layer "Bottom Layer-No Net" (solid, pour order 40): 63.195,44.018 65.151,44.018 65.151,37.948 63.195,37.948
D12V0 on Bottom Layer "Bottom Layer-No Net" (solid, pour order 36): 17.653,40.107 17.653,36.906 79.096,36.906 79.096,40.107

## Keep-outs
Keep-Out Layer:
  lines w0.254: 99.877,54.792 100,54.915 ; 100,55.5 100,0 0,0 0,55.5 100,55.5

## Other copper
Top Layer:
  pour cut-out: 1.956,39.141 10.719,39.141 10.82,39.04 10.82,31.979 2.184,31.979 1.956,32.207
  pour cut-out: 16.281,28.312 16.281,22.454 17.196,21.539
  pour cut-out: 73.58,48.158 64.401,48.158 63.826,48.733 63.826,52.498 63.856,52.527 73.127,52.527 73.609,52.045
  pour cut-out: 53.26,48.209 44.081,48.209 43.506,48.784 43.506,52.548 43.536,52.578 52.807,52.578 53.289,52.095
Bottom Layer:
  pour cut-out: 1.981,39.141 1.981,32.106 1.93,32.055 2.057,31.928 10.871,31.928 10.871,38.964 11.049,39.141
  pour cut-out: 82.728,36.119 87.554,40.513 87.427,43.459 87.249,45.009 86.208,45.593 83.337,45.466 82.118,44.552 78.486,41.072 12.319,41.148 10.49,40.411 8.814,39.141 9.347,37.694 10.846,33.274 13.691,36.119
  region net NetDC0_1: 14.453,36.932 12.954,36.932 12.954,36.906 7.849,34.011 4.801,34.011 3.912,34.239 3.556,34.569 3.556,36.297 3.505,37.008 3.785,37.643 4.42,37.973 5.182,37.973 6.68,37.948 7.976,37.948 9.042,38.125 12.243,40.107 14.478,40.107

## Silkscreen, mask and mechanical layers (free items; w line width, h text height)
Top Overlay:
  text "SS DC&USB Hub-B" at 19.431,39.446 h1.52